# Altium PCB PCB_with_drawing_try2.PcbDoc (part 2 of 5)
Units mm, origin at the board's own origin, x right, y up, seen from the top; angles counter-clockwise.
Board outline 187.5 x 240 mm, 2 copper layers (Top Layer, Bottom Layer), stack 2.8 mm thick; 489 components, 419 nets, 1569 pads, 683 vias.
Unrouted connection lines stored in the file: 11.
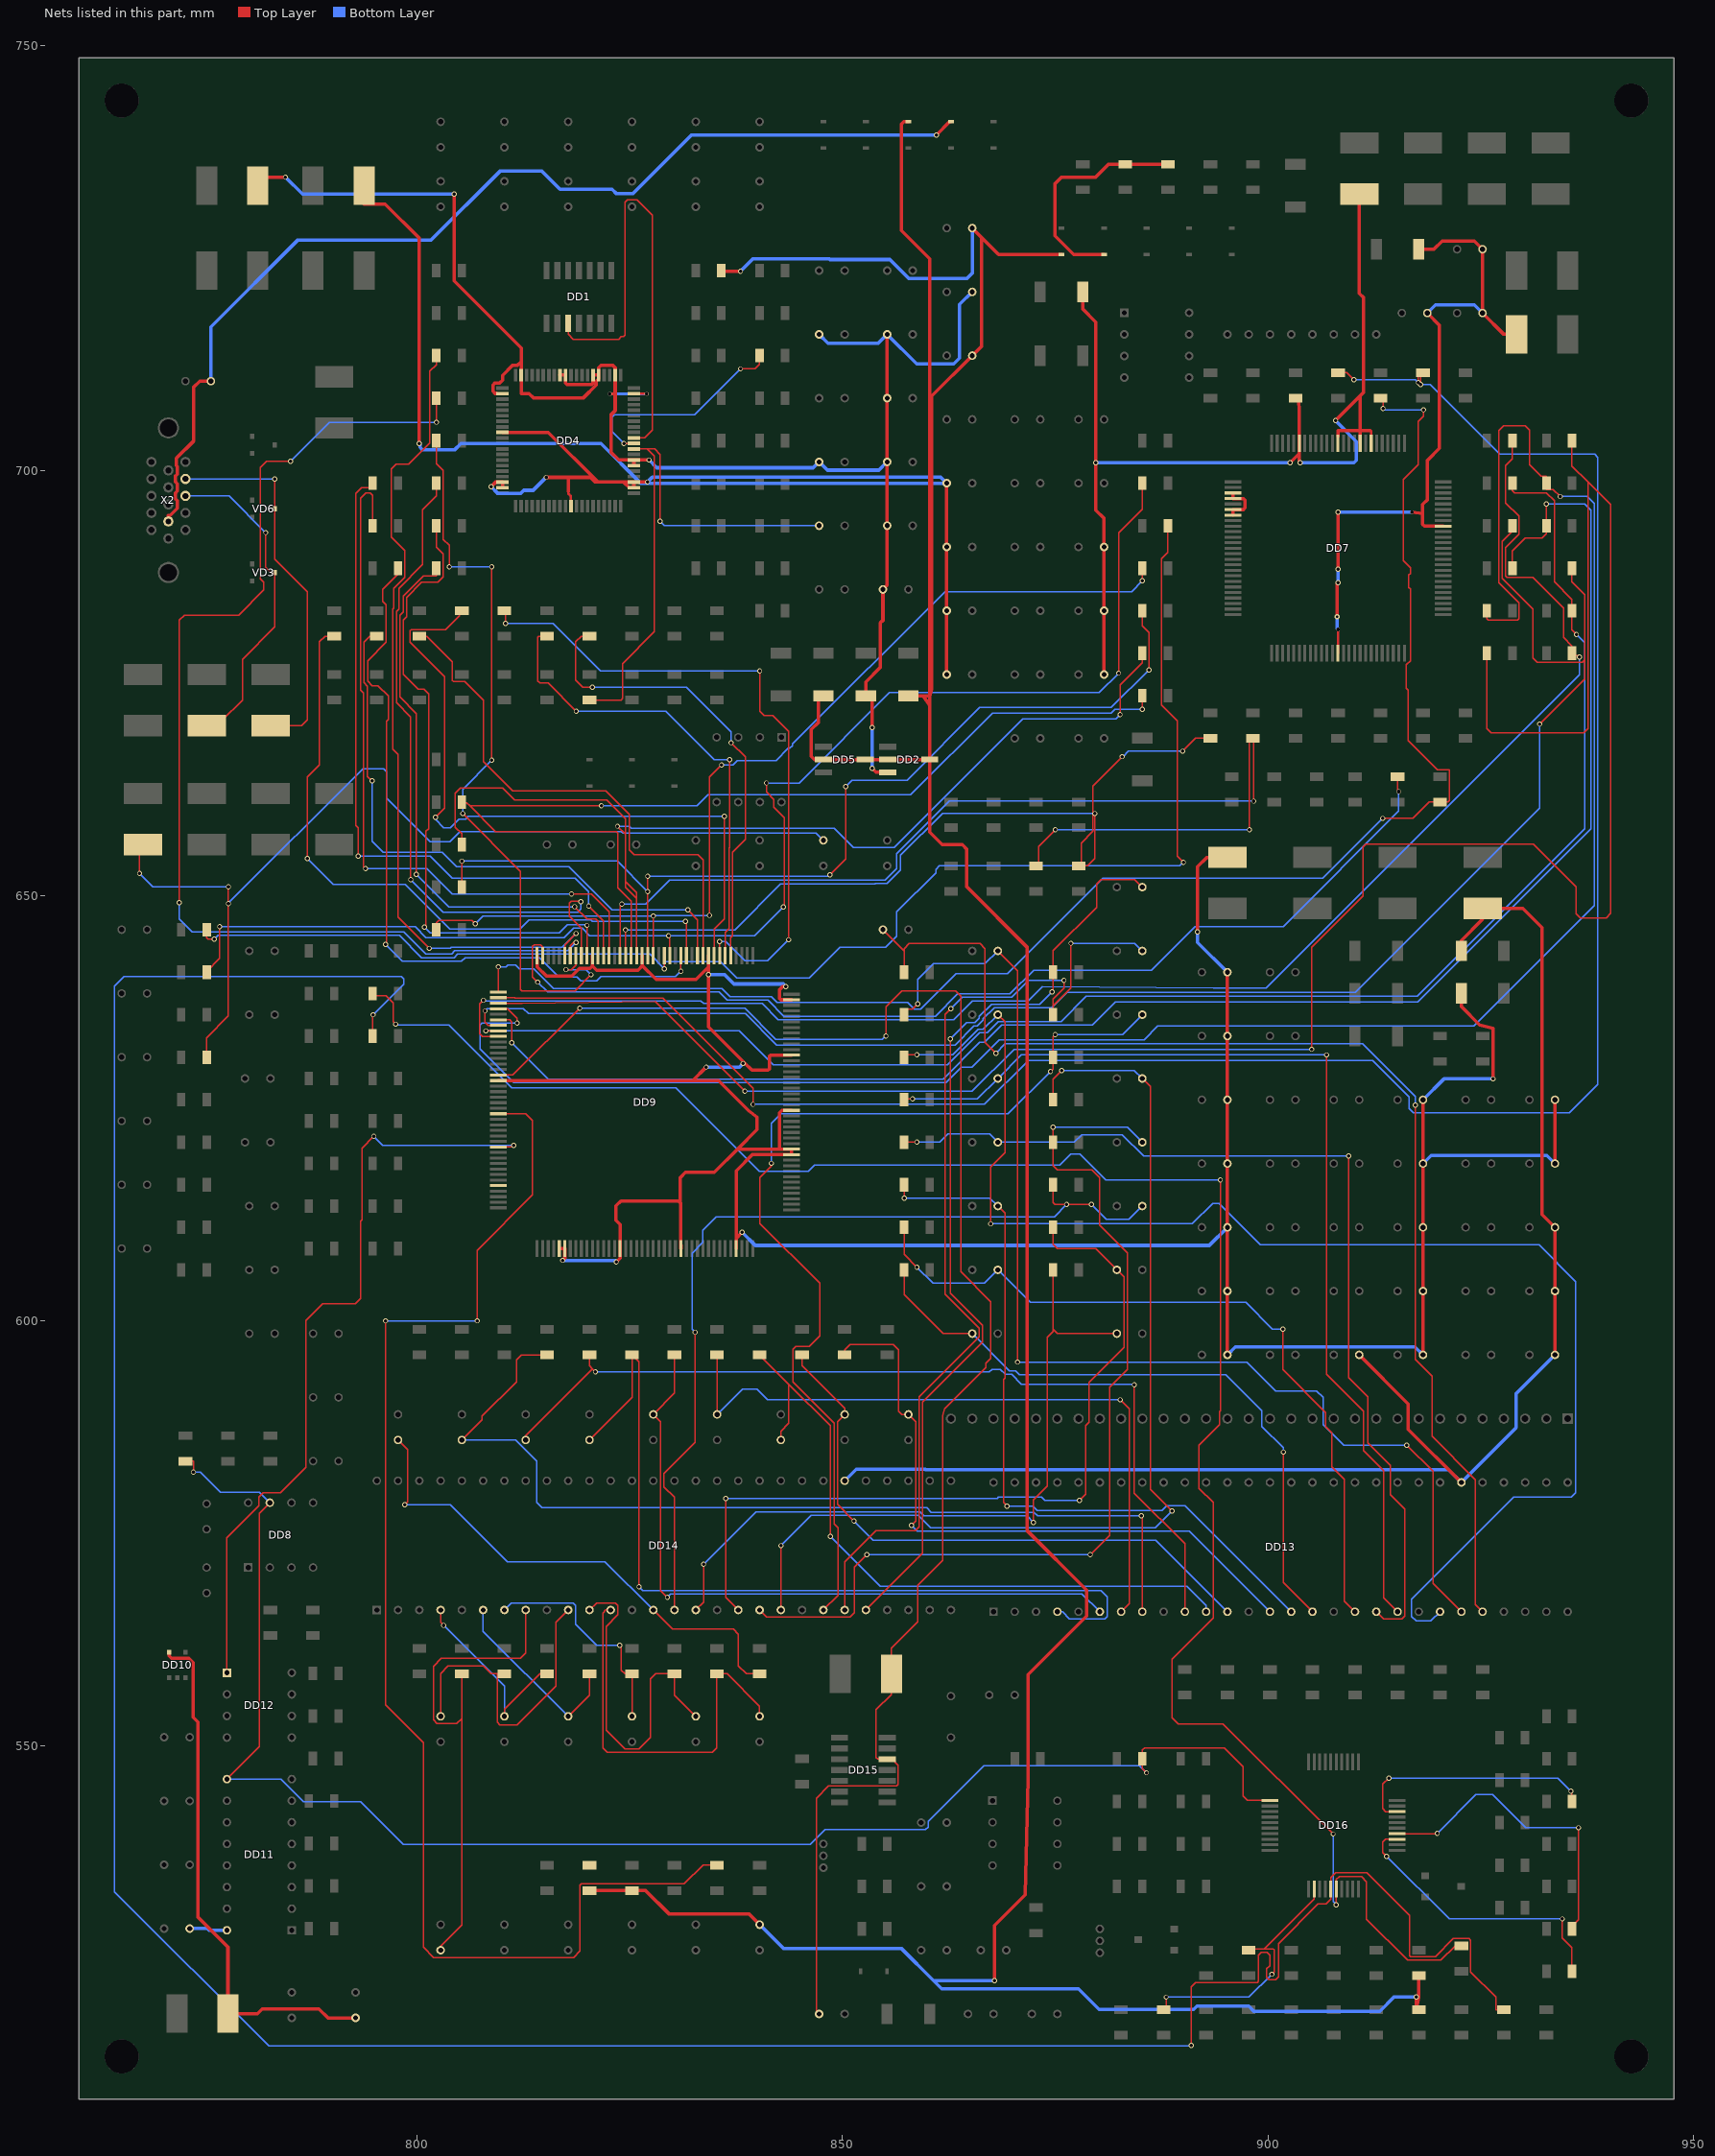
[diagram p2: the nets of this part, all layers, seen from the top]

## Via types
v1: diameter 0.6, hole 0.4, Top Layer to Bottom Layer, 677 vias
v2: diameter 0.5, hole 0.4, Top Layer to Bottom Layer, 3 vias
v3: diameter 0.4, hole 0.4, Top Layer to Bottom Layer, 2 vias
v4: diameter 0.6, hole 0.3, Top Layer to Bottom Layer, 1 vias

## Nets (pads, with @x,y where several pads share a name; then routed paths per layer and width w, separated by ;. In a path a pad name is that pad's centre, name@x,y a point inside that pad or via, vN(x,y) a via of type N, cw(c..) or ccw(c..) an arc to the next point about the centre after c; other vN are vias at no path point) (continued)
3V3LVDSP: C137.1 C140.2 C143.2 C146.2 C149.2 DD13.34 DD14.34 L23.2 | length 178.1
  Top Layer w0.4: C149.2@910.75,596 916.512,590.238 916.512,587.238 DD13.34@922.75,581 ; C137.1@922.75,643.5 922.75,644.733 925.25,647.233 L23.2@925.25,648.5 929.974,648.5 932.234,646.239 932.234,612.516 C146.2@933.75,611 C143.2@933.75,603.5 C140.2@933.75,596
  Bottom Layer w0.4: DD14.34@850.25,581.2 851.608,582.558 859.719,582.558 859.774,582.503 921.247,582.503 DD13.34@922.75,581 929.186,587.436 929.186,591.436 C140.2@933.75,596
3V3SD: C64.1 C65.2 C66.2 C67.2 C68.2 C69.2 C71.2 C73.2 C75.2 C77.2 C81.2 C85.2 C89.2 C94.2 C98.2 DD9.17 DD9.36 DD9.45 DD9.46 DD9.56 DD9.67 DD9.77 DD9.91 DD9.92 DD9.99 DD9.109 DD9.119 DD9.129 DD9.141 DD9.150 DD9.160 L19.2 | length 396.9
  Top Layer w0.4: DD9.17@809.55,628.25 832.387,628.25 ; DD9.160@814.1,642.95 814.1,641.633 815.199,640.535 818.158,640.535 819.08,641.457 820.321,641.457 820.6,641.736 ; DD9.45@816.7,608.5 DD9.46@817.35,608.5 817.35,607.37 v1(817.096,607.116) ; DD9.150@820.6,642.95 820.6,641.736 ; v1(823.395,606.938) 823.85,607.393 DD9.56@823.85,608.5 823.85,611.335 823.37,611.815 823.37,613.517 823.954,614.101 830.695,614.101 ; DD9.67@831,608.5 831,608.911 830.949,608.962 830.949,613.847 830.695,614.101 ; v1(833.986,629.849) 832.387,628.25 ; DD9.129@834.25,642.95 834.25,641.627 ; DD9.77@837.5,608.5 837.5,609.714 ; v1(838.203,610.418) 837.5,609.714 ; v1(838.305,630.255) v1@838.438,630.388 ; v1(843.334,639.298) 842.953,639.298 842.598,638.942 842.598,637.902 842.75,637.75 DD9.119@844,637.75 ; DD9.99@844,624.75 842.884,624.75 842.598,624.464 842.598,620.352 842.75,620.2 ; DD9.109@844,631.25 841.51,631.25 841.404,631.144 841.404,629.62 841.251,629.468 839.358,629.468 v1@838.438,630.388 ; v1(891.747,645.724) 891.747,653.395 892.852,654.5 L19.2@895.25,654.5 ; C73.2@895.25,596 C71.2@895.25,603.5 C68.2@895.25,611 C69.2@895.25,618.5 C65.2@895.25,626 C67.2@895.25,633.5 C66.2@895.25,641 ; C81.2@918.25,596 C77.2@918.25,603.5 C75.2@918.25,611 C89.2@918.25,618.5 C85.2@918.25,626 ; C64.1@922.75,638.5 922.75,636.961 924.909,634.802 926.468,634.395 v1(926.468,628.452) ; C98.2@933.75,618.5 C94.2@933.75,626 ; 820.6,641.736 821.108,641.228 825.942,641.228 826.477,641.763 ; 826.477,641.763 828.081,640.158 832.781,640.158 834.25,641.627 ; 826.477,641.763 826.45,641.789 DD9.141@826.45,642.95 826.477,641.763 ; 830.695,614.101 830.939,614.101 830.939,616.844 831.549,617.454 834.927,617.454 837.673,620.2 ; 832.387,628.25 835.433,628.25 838.991,624.693 839.956,623.956 839.956,622.483 837.673,620.2 ; 834.25,641.627 v1(834.25,640.711) 834.25,634.576 v1@838.438,630.388 ; 837.5,609.714 837.5,617.643 839.408,619.55 DD9.91@844,619.55 DD9.92@844,620.2 842.75,620.2 ; 837.673,620.2 842.75,620.2
  Bottom Layer w0.4: v1(817.096,607.116) 823.217,607.116 v1(823.395,606.938) ; v1(833.986,629.849) 837.899,629.849 v1(838.305,630.255) ; v1(834.25,640.711) 836.133,640.711 837.229,639.615 843.017,639.615 v1(843.334,639.298) ; v1(838.203,610.418) 839.753,608.868 893.118,608.868 C68.2@895.25,611 ; v1(891.747,645.724) 891.747,644.503 C66.2@895.25,641 ; C73.2@895.25,596 896.206,596.956 917.294,596.956 C81.2@918.25,596 ; C89.2@918.25,618.5 919.21,619.46 932.79,619.46 C98.2@933.75,618.5 ; C85.2@918.25,626 920.702,628.452 v1(926.468,628.452)
5V_DDC: R50.2 R51.2 VD15.1 | length 27
  Top Layer w0.4: VD15.1@880.75,725.4 877.171,725.4 874.983,727.588 874.983,733.709 875.77,734.497 879.758,734.497 881.261,736 R50.2@883.25,736 R51.2@888.25,736
5V_STBY: C6.1 C9.1 C35.1 C36.1 C169.1 DD2.2 DD2.4 DD5.2 DD5.4 R1.2 R206.1 R207.1 R209.1 R236.2 VD9.1 VD16.1 | length 482
  Top Layer w0.4: R206.1@820.25,533 R207.1@825.25,533 826.874,533 829.593,530.281 838.969,530.281 C169.1@840.25,529 ; R1.2@835.75,723.5 835.75,723.422 v1(838,723.422) ; C35.1@847.75,673.5 847.144,673.5 847.144,670.336 846.331,669.524 846.331,666.374 846.705,666 DD5.2@847.75,666 DD5.4@852.675,666 DD2.2@855.325,666 DD2.4@860.25,666 ; C6.1@857.75,673.5 859.514,673.5 ; VD9.1@857.75,741 857.203,741 856.908,740.705 856.908,728.213 860.251,724.87 860.251,673.5 ; C36.1@865.25,728.5 866.321,727.429 ; v1(867.871,522.407) 867.871,528.884 871.485,532.499 871.833,546.148 871.833,558.424 878.716,565.307 878.716,568.33 871.681,575.366 871.681,643.96 864.619,651.021 864.619,655.452 864.086,655.985 861.724,655.985 860.251,657.459 DD2.4@860.25,666 860.251,672.42 ; VD16.1@875.75,725.4 868.35,725.4 866.321,727.429 ; v1(917.451,520.497) R236.2@917.451,519 ; R236.2@917.75,519 R236.2@917.451,519 ; R209.1@917.75,523 917.731,523 917.731,520.497 917.721,520.447 917.461,519.054 R236.2@917.451,519 ; 859.514,673.5 860.251,673.5 ; 859.514,673.5 860.251,672.42 ; 860.251,672.42 860.251,673.5 ; 860.251,673.5 860.479,674.248 860.479,708.729 C9.1@865.25,713.5 866.321,714.571 866.321,727.429
  Bottom Layer w0.4: v1(838,723.422) 839.436,724.858 848.478,724.858 848.543,724.794 855.577,724.794 857.825,722.546 864.594,722.546 865.25,723.202 C36.1@865.25,728.5 ; C169.1@840.25,529 843.033,526.217 856.898,526.217 860.708,522.407 ; v1(867.871,522.407) 860.708,522.407 ; v1(917.451,520.497) 914.831,520.497 913.148,518.815 898.352,518.815 897.75,519.417 891.67,519.417 891.273,519.02 880.147,519.02 877.726,521.442 861.673,521.442 860.708,522.407
5V_VGA: C172.2 VD10.1 X2.9 | length 125.5
  Top Layer w0.4: X2.9@770.75,694 770.75,694.701 770.942,694.701 771.804,695.563 771.804,696.437 771.55,696.691 771.55,697.309 771.804,697.563 771.804,698.437 771.55,698.691 771.55,699.309 771.804,699.563 771.804,700.455 771.696,700.563 771.696,701.437 773.738,703.479 773.738,709.808 774.43,710.5 C172.2@775.75,710.5 ; v1(861.037,739.45) 862.587,741 VD10.1@862.75,741
  Bottom Layer w0.4: C172.2@775.75,710.5 775.75,716.874 785.981,727.105 801.653,727.105 809.73,735.183 814.655,735.183 816.791,733.046 822.924,733.046 823.442,732.528 825.313,732.528 832.234,739.45 v1(861.037,739.45)
5Va: C130.2 DD11.16 | length 4.5
  Bottom Layer w0.4: C130.2@773.25,528.54 775.338,528.54 775.538,528.34 DD11.16@777.63,528.34
5Vb: C128.1 DD10.5 L20.2 | length 62.2
  Top Layer w0.4: DD10.5@770.85,561.04 770.85,560.601 771.122,560.329 773.154,560.329 773.662,559.821 773.662,553.369 774.204,552.827 774.204,529.891 777.75,526.345 L20.2@777.75,518.54 781.206,518.54 781.771,519.105 788.445,519.105 789.51,518.04 C128.1@792.75,518.04
12MHZ: C158.1 DD9.16 DD15.12 L24.1 | length 201.5
  Top Layer w0.15: DD9.16@809.55,628.9 811.245,628.9 v1(819.103,636.758) ; C158.1@847.25,518.5 846.916,518.5 846.916,543.833 848.375,545.292 856.364,545.292 856.542,545.47 856.542,547.756 855.838,548.46 DD15.12@855.25,548.46 854.136,548.46 853.951,548.645 853.951,554.263 855.75,556.062 L24.1@855.75,558.5 855.75,561.523 858.828,564.601 858.828,568.889 861.8,571.861 861.8,588.861 862.001,589.638 866.861,594.498 866.861,595.019 867.413,595.572 867.413,602.264 863.908,605.77 863.908,638.18 863.279,638.809 856.974,638.809 855.094,636.929 v1(855.094,633.506)
  Bottom Layer w0.15: v1(819.103,636.758) 838.506,636.758 842.164,633.1 854.688,633.1 v1(855.094,633.506)
9883_HS: DD4.30 R14.2 | length 25.8
  Top Layer w0.15: v1(824.294,703.175) DD4.30@825.472,703.175 ; v1(838,711.942) 839.702,711.942 840.25,712.49 R14.2@840.25,713.5
  Bottom Layer w0.15: v1(824.294,703.175) 822.893,704.576 822.893,706.252 823.169,706.528 832.586,706.528 v1(838,711.942)
9883_VS: DD1.10 DD4.31 | length 56
  Top Layer w0.15: DD1.10@817.75,717.3 817.75,716.006 818.334,715.421 823.678,715.421 823.972,715.715 824.248,715.715 824.421,715.888 824.421,731.535 824.716,731.83 825.847,731.83 827.65,730.027 827.65,704.716 826.759,703.825 DD4.31@825.472,703.825
+3V3: C1.1 C2.1 C3.1 C4.1 DD4.11 DD4.22 DD4.23 DD4.69 DD4.78 DD4.79 L1.1 | length 201.4
  Top Layer w0.3: 817.776,697.51 817.776,697.274 818.05,697 818.05,696.3 DD4.11@818.15,696.2
  Top Layer w0.4: L1.1@793.75,733.5 793.75,731.322 796.243,731.322 800.23,727.334 v1(800.23,703.153) ; v1(808.689,698.092) 809.222,698.625 DD4.78@810.028,698.625 DD4.79@810.028,697.975 ; DD4.69@810.028,704.475 815.393,704.475 821.236,698.632 824.288,698.632 824.295,698.625 ; v1(815.153,699.187) 817.776,699.187 ; 817.776,697.51 817.776,699.187 ; v1(827.056,698.625) DD4.23@825.472,698.625 ; C1.1@862.25,676 C2.1@862.25,683.5 C3.1@862.25,691 C4.1@862.25,698.5 ; 817.776,699.187 820.399,699.187 820.961,698.625 824.295,698.625 ; 824.295,698.625 824.945,697.975 DD4.22@825.472,697.975 DD4.23@825.472,698.625 ; 824.295,698.625 DD4.23@825.472,698.625
  Bottom Layer w0.4: v1(800.23,703.153) 800.33,703.153 800.33,702.706 800.586,702.45 804.439,702.45 805.142,703.153 821.617,703.153 826.27,698.5 C4.1@862.25,698.5 861.559,699.191 827.622,699.191 v1(827.056,698.625) ; v1(808.689,698.092) 809.508,697.273 812.127,697.273 812.515,697.661 813.627,697.661 v1(815.153,699.187)
A3_3V: C57.1 C58.2 C59.2 C60.2 DD7.82 DD7.84 DD7.88 DD7.95 L18.2 R59.1 | length 130.7
  Top Layer w0.3: 912.05,704.7 912.15,704.6 DD7.82@912.15,703.2
  Top Layer w0.4: C57.1@878.25,721 878.25,718.977 879.783,717.444 v1(879.783,700.893) 879.783,695.314 880.75,694.347 C58.2@880.75,691 C59.2@880.75,683.5 C60.2@880.75,676 ; v1(902.618,700.893) 903.7,701.975 ; R59.1@903.25,708.5 903.636,708.5 903.7,706.701 DD7.95@903.7,703.2 903.7,701.975 ; v1(903.786,700.893) 903.7,700.979 903.7,701.975 ; v1(907.952,705.871) 910.85,708.769 ; DD7.88@908.25,704 908.25,704.7 910.85,704.7 ; L18.2@910.75,732.5 910.75,720.827 911.228,720.349 911.228,709.148 910.85,708.769 ; DD7.84@910.85,703.2 910.85,704.7 ; 912.05,704.7 910.85,704.7 ; 910.85,704.7 910.85,708.769
  Bottom Layer w0.4: v1(879.783,700.893) v1(902.618,700.893) ; v1(903.786,700.893) 910.136,700.893 910.416,701.172 910.416,703.407 v1(907.952,705.871)
A3V3: C12.1 C14.1 C26.1 C28.1 C30.1 C31.1 C32.1 C33.1 C34.1 DD2.3 DD4.26 DD4.27 DD4.39 DD4.42 DD4.45 DD4.46 DD4.51 DD4.52 DD4.59 DD4.62 L7.1 | length 212.3
  Top Layer w0.3: v2(822.65,709) 823.275,709 823.333,709 ; DD4.39@825.472,709.025 v2@826.925,709.025
  Top Layer w0.4: L7.1@781.25,733.5 781.25,734.497 v1(784.508,734.497) ; v1(804.345,732.49) 804.345,722.279 812.225,714.4 812.225,712.811 ; 809.288,709.059 809.132,709.059 808.897,709.294 808.897,710.056 809.132,710.29 809.719,710.29 810.028,710.6 810.028,711.187 811.194,712.353 811.767,712.353 812.225,712.811 ; DD4.52@816.775,711.222 DD4.51@817.425,711.222 817.429,711.218 817.429,710.262 817.604,710.087 820.525,710.087 820.675,710.237 DD4.46@820.675,711.222 DD4.45@821.325,711.222 ; DD4.26@825.472,700.575 DD4.27@825.472,701.225 ; v1(827.256,701.225) DD4.27@825.472,701.225 ; v1(853.494,664.953) 853.947,664.5 DD2.3@855.325,664.5 ; v1(853.494,669.752) 853.494,673.5 C14.1@852.75,673.5 852.75,675.129 854.459,676.839 854.459,682.085 854.75,682.376 C34.1@854.75,686 855.25,686.5 C33.1@855.25,693.5 855.25,697.235 C32.1@855.25,701 855.25,704.728 C31.1@855.25,708.5 C30.1@855.25,716 ; 812.225,712.811 DD4.59@812.225,711.222 812.225,709.025 813.159,709.025 813.638,708.546 819.555,708.546 821.044,710.035 821.044,710.484 821.325,710.765 DD4.45@821.325,711.222 ; DD4.45@821.325,711.222 821.325,712.094 821.604,712.373 822.996,712.373 823.275,712.094 DD4.42@823.275,711.222 823.275,709 823.275,707.03 822.768,706.523 822.768,702.157 823.7,701.225 DD4.27@825.472,701.225
  Bottom Layer w0.3: v2(822.65,709) v2(826.95,709)
  Bottom Layer w0.4: v1(784.508,734.497) 786.514,732.49 v1(804.345,732.49) ; v1(827.256,701.225) 828.168,700.313 846.563,700.313 C26.1@847.25,701 848.221,700.029 854.279,700.029 C32.1@855.25,701 ; C28.1@847.25,716 848.311,714.939 854.189,714.939 C30.1@855.25,716 858.724,712.526 863.07,712.526 863.756,713.212 863.756,719.506 C12.1@865.25,721 ; v1(853.494,664.953) v1(853.494,669.752)
ADC1: DD16.34 R222.2 | length 37.1
  Top Layer w0.15: DD16.34@915.2,539.7 919.886,539.7 v1(919.915,539.73) ; R222.2@935.75,528.5 935.75,528.808 936.527,529.584 v1(936.527,540.39)
  Bottom Layer w0.15: v1(919.915,539.73) 924.474,544.288 926.425,544.288 930.323,540.39 v1(936.527,540.39)
ADC2: DD16.33 R224.2 | length 34
  Top Layer w0.15: v1(913.972,537.037) 913.514,537.494 913.514,538.694 913.87,539.05 DD16.33@915.2,539.05 ; v1(934.622,529.671) 934.622,527.411 935.75,526.282 R224.2@935.75,523.5
  Bottom Layer w0.15: v1(913.972,537.037) 921.338,529.671 v1(934.622,529.671)
ASIC_H: C39.1 L9.2 R108.2 | length 118.9
  Top Layer w0.15: v1(767.363,652.607) 767.363,656 L9.2@767.75,656 ; R108.2@775.25,631 775.25,633.291 777.802,635.843 v1(777.802,649.051) v1(777.802,651.032)
  Bottom Layer w0.15: v1(767.363,652.607) 768.938,651.032 v1(777.802,651.032) ; v1(777.802,649.051) 777.802,649.142 793.601,664.941 796.039,664.941 796.384,664.596 796.384,661.469 801.529,656.324 803.812,656.324 805.029,657.541 823.993,657.541 824.177,657.357 846.893,657.357 C39.1@847.75,656.5
ASIC_RESET: DD8.7 DD11.9 DD16.11 R118.2 R182.1 | length 185.7
  Top Layer w0.15: R118.2@772.75,583.5 773.687,583.5 v1(773.687,582.224) ; DD11.9@777.63,546.12 781.434,549.924 781.434,577.384 DD8.7@782.67,578.62 ; v1(885.727,546.867) 885.25,547.344 R182.1@885.25,548.5 885.25,549.534 885.504,549.788 894.896,549.788 897.106,547.578 897.106,544.108 897.614,543.6 DD16.11@900.25,543.6
  Bottom Layer w0.15: v1(773.687,582.224) 774.501,582.224 776.871,579.853 781.032,579.853 781.06,579.825 781.465,579.825 DD8.7@782.67,578.62 ; DD11.9@777.63,546.12 783.985,546.12 786.641,543.463 793.322,543.463 798.351,538.434 846.23,538.434 847.967,540.171 859.768,540.171 860.079,540.482 860.079,541.12 866.639,547.68 884.914,547.68 v1(885.727,546.867)
ASIC_SCL: DD16.26 R114.2 R221.2 | length 237.1
  Top Layer w0.15: R114.2@794.75,638.5 794.75,638.231 796.319,638.231 797.182,637.367 797.182,635.157 v1(797.462,634.878) ; v1(894.414,616.565) 894.414,589.412 894.312,589.31 894.312,587.79 891.921,585.399 891.921,580.322 893.601,578.642 893.601,565.053 888.749,560.202 888.749,553.319 889.486,552.582 894.744,552.582 v1(907.672,539.653) ; v1(908.05,531.322) DD16.26@908.05,533.2 908.05,534.294 908.406,534.65 911,534.65 911.609,534.04 911.609,529.646 916.434,524.821 920.343,524.821 922.022,526.5 R221.2@922.75,526.5
  Bottom Layer w0.15: v1(797.462,634.878) 797.538,634.802 803.713,634.802 811.127,627.387 830.403,627.387 840.21,617.581 845.976,617.581 846.712,618.317 875.516,618.317 876.811,619.613 877.904,619.613 880.952,616.565 v1(894.414,616.565) ; v1(907.672,539.653) 907.672,531.7 v1(908.05,531.322)
ASIC_SDA: DD16.25 R115.2 R219.2 | length 357.1
  Top Layer w0.15: R115.2@794.75,633.5 794.75,635.925 v1(794.82,635.996) ; v1(890.985,514.812) 890.985,521.67 891.518,522.204 898.757,522.204 898.909,522.356 898.909,525.404 899.249,525.744 899.9,525.744 900.23,525.413 900.23,524.179 899.855,523.804 899.855,522.833 900.154,522.534 900.916,522.534 901.246,522.864 901.246,526.763 905.914,531.431 906.823,531.431 907.4,532.008 DD16.25@907.4,533.2 907.4,534.548 907.959,535.107 911.635,535.107 916.664,530.078 916.664,525.352 916.791,525.225 919.685,525.225 921.82,527.36 923.674,527.36 923.852,527.182 923.852,523.448 926.824,520.476 926.824,519 R219.2@927.75,519
  Bottom Layer w0.15: v1(794.82,635.996) 798.402,639.577 798.402,640.212 798.122,640.491 790.425,640.491 790.406,640.472 765.54,640.472 764.416,639.348 764.416,532.872 782.552,514.736 838.525,514.736 838.542,514.719 890.891,514.719 v1(890.985,514.812)
AUDIO_EN: DD16.38 R215.2 | length 29
  Top Layer w0.15: v1(914.226,546.232) 913.514,545.521 913.514,542.656 913.87,542.3 DD16.38@915.2,542.3 ; v1(935.638,544.683) 935.75,544.57 R215.2@935.75,543.5
  Bottom Layer w0.15: v1(914.226,546.232) 934.088,546.232 v1(935.638,544.683)
AUDIO_MUTE: DD16.22 R212.2 R233.1 | length 31.2
  Top Layer w0.15: R212.2@887.75,519 888.038,519 v1(888.038,520.476) ; R233.1@897.75,526 R233.1@897.855,526 ; v1(900.484,523.169) 900.738,523.423 900.738,526.067 900.657,526.148 899.567,526.148 ; DD16.22@905.45,533.2 905.45,532.031 899.567,526.148 ; R233.1@897.855,526 897.855,526.148 R233.1@898.003,526.148 ; R233.1@897.855,526 R233.1@898.003,526.148 ; R233.1@898.003,526.148 899.567,526.148
  Bottom Layer w0.15: v1(888.038,520.476) 897.792,520.476 v1(900.484,523.169)
B_IN: L4.1 VD3.3 X2.3 | length 39
  Top Layer w0.15: L4.1@775.25,670 775.25,670.59 777.04,670.59 779.453,673.003 779.453,677.804 783.25,681.601 VD3.3@783.25,688 782.806,688 782.196,688.61 v1(782.196,692.688)
  Bottom Layer w0.15: X2.3@772.75,697 777.885,697 v1(782.196,692.688)
B_INA0: DD9.147 R32.2 | length 85
  Top Layer w0.15: v1(793.931,653.166) 793.697,653.401 793.697,673.822 793.347,674.172 793.347,696.727 793.982,697.362 794.471,697.362 794.75,697.083 R32.2@794.75,693.5 ; v1(818.137,650.194) 820.472,650.194 822.55,648.116 DD9.147@822.55,642.95
  Bottom Layer w0.15: v1(793.931,653.166) 801.147,653.166 804.119,650.194 v1(818.137,650.194)
B_INA1: DD9.148 R31.2 | length 82.6
  Top Layer w0.15: v1(793.068,654.665) 793.068,657.992 792.788,658.271 792.788,697.311 793.474,697.997 794.75,697.997 R31.2@794.75,698.5 ; v1(820.169,648.772) 821.9,647.041 DD9.148@821.9,642.95
  Bottom Layer w0.15: v1(793.068,654.665) 801.551,654.665 804.142,652.074 818.582,652.074 820.169,650.486 v1(820.169,648.772)
B_INA2: DD9.149 R30.2 | length 67.2
  Top Layer w0.15: v1(799.9,652.506) 799.9,671.403 797.953,673.35 797.953,682.99 798.342,683.38 798.342,685.238 800.718,687.613 802.25,687.613 R30.2@802.25,688.5 ; v1(818.493,648.696) 819.95,647.238 821.01,647.238 821.25,646.998 DD9.149@821.25,642.95
  Bottom Layer w0.15: v1(799.9,652.506) 803.71,648.696 v1(818.493,648.696)
B_INA3: DD9.151 R29.2 | length 75.8
  Top Layer w0.15: v1(800.84,646.283) 801.018,646.46 801.018,657.56 801.348,657.89 801.348,673.74 800.815,674.273 800.115,674.273 798.357,676.031 798.357,682.393 798.746,682.782 798.746,685.058 800.535,686.846 802.44,686.846 803.05,687.456 803.05,690.174 802.25,690.974 R29.2@802.25,693.5 ; DD9.151@819.95,642.95 v1(819.95,646.502)
  Bottom Layer w0.15: v1(800.84,646.283) 801.5,645.622 816.712,645.622 817.669,646.579 819.873,646.579 v1(819.95,646.502)
B_INA4: DD9.152 R28.2 | length 80.1
  Top Layer w0.15: v1(799.24,651.896) 799.24,670.988 797.549,672.678 797.549,683.394 797.849,683.695 797.849,686.144 800.637,688.931 800.637,695.393 802.25,697.006 R28.2@802.25,698.5 ; v1(819.255,649.305) 819.236,649.325 818.087,649.325 817.864,649.102 817.864,647.611 819.3,646.175 DD9.152@819.3,642.95
  Bottom Layer w0.15: v1(799.24,651.896) 803.075,648.061 818.874,648.061 819.255,648.442 v1(819.255,649.305)
B_INA5: DD9.153 R27.2 | length 89.2
  Top Layer w0.15: R27.2@802.25,703.5 802.25,700.803 803.05,700.004 803.05,691.901 803.761,691.19 v1(803.761,688.65) ; v1(805.361,659.643) 812.143,652.861 812.143,638.942 812.301,638.784 818.538,638.784 v1(820.449,640.695) ; v1(808.765,665.917) v1(808.765,688.65) ; v1(817.502,641.304) 818.091,641.304 818.65,641.863 DD9.153@818.65,642.95
  Bottom Layer w0.15: v1(803.761,688.65) v1(808.765,688.65) ; v1(805.361,659.643) 805.361,662.513 v1(808.765,665.917) ; v1(817.502,641.304) 819.839,641.304 v1(820.449,640.695)
B_INA6: DD9.154 R26.2 | length 137.7
  Top Layer w0.15: v1(772.019,649.187) 772.03,649.198 772.03,682.377 772.646,682.993 779.024,682.993 781.963,685.932 781.963,686.875 781.561,687.276 781.561,700.334 782.298,701.07 v1(785.092,701.07) ; v1(802.25,705.668) R26.2@802.25,708.5 ; DD9.154@818,642.95 818,644.088 818.417,644.505 v1(818.671,644.505)
  Bottom Layer w0.15: v1(772.019,649.187) 772.019,647.254 773.544,645.73 798.421,645.73 800.992,643.158 804.046,643.158 804.412,643.524 817.69,643.524 v1(818.671,644.505) ; v1(785.092,701.07) 789.689,705.668 v1(802.25,705.668)
B_INA7: DD9.155 R25.2 | length 96.9
  Top Layer w0.15: v1(801.399,643.793) 797.735,647.457 797.735,666.622 797.145,667.212 797.145,683.697 797.259,683.81 797.259,686.135 798.529,687.405 798.529,690.58 796.954,692.155 796.954,700.156 797.538,700.74 799.011,700.74 801.475,703.204 801.475,711.662 802.25,712.437 R25.2@802.25,713.5 ; DD9.155@817.35,642.95 817.35,644.225 v1(818.671,645.546)